# Altium PCB FX_PCB.PcbDoc (part 2 of 7) (continued)
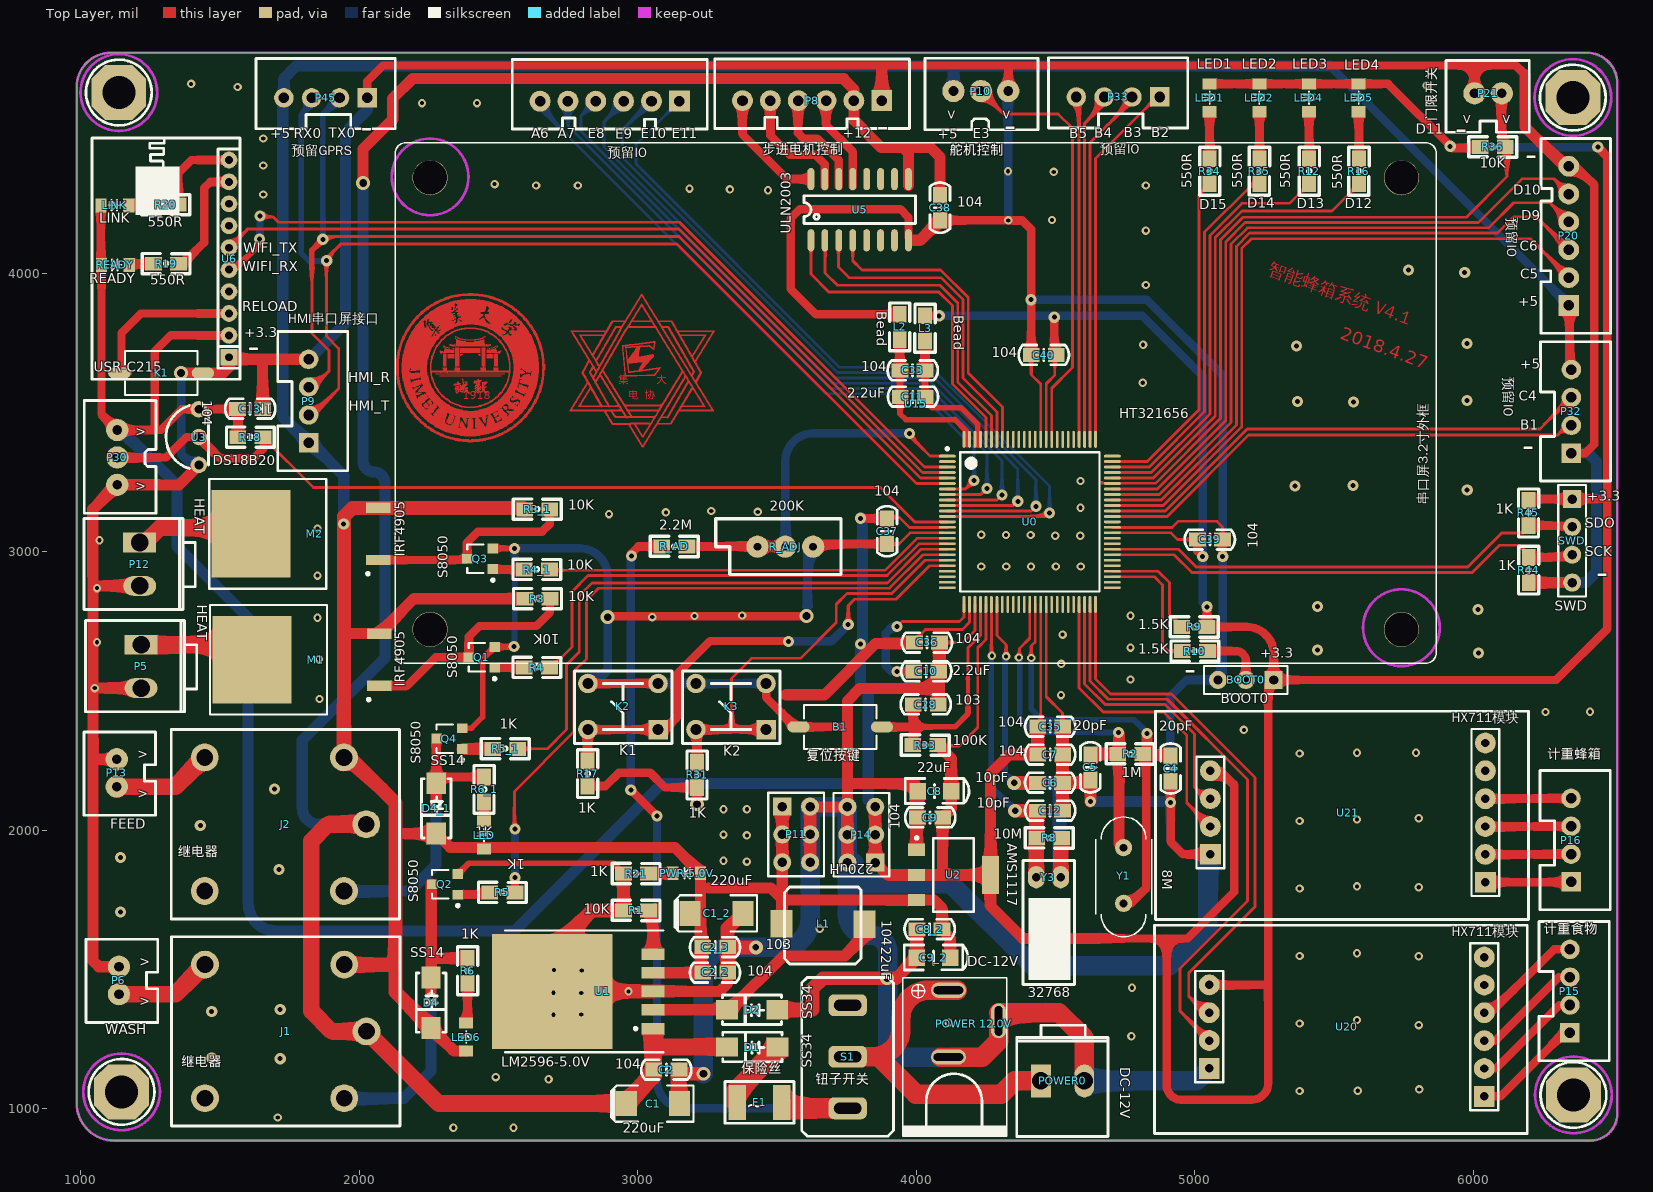
[diagram p0: Top Layer view]
## Nets (pads, with @x,y where several pads share a name; then routed paths per layer and width w, separated by ;. In a path a pad name is that pad's centre, name@x,y a point inside that pad or via, vN(x,y) a via of type N, cw(c..) or ccw(c..) an arc to the next point about the centre after c; other vN are vias at no path point) (continued)
2844.9,3620.05 ; 2839.8,3620.9 2844.05,3620.9 ; 2839.8,3699.1 2844.05,3699.1 ; 2839.8,3712.7 2844.9,3712.7 ; 2839.8,3713.55 2844.9,3713.55 ; 2840.65,3569.9 2847.45,3569.9 ; 2840.65,3570.75 2846.6,3570.75 ; 2840.65,3618.35 2845.75,3618.35 ; 2840.65,3619.2 2845.75,3619.2 ; 2840.65,3630.25 2844.9,3630.25 ; 2840.65,3631.1 2845.75,3631.1 ; 2840.65,3697.4 2844.9,3697.4 ; 2840.65,3698.25 2844.05,3698.25 ; 2840.65,3714.4 2845.75,3714.4 ; 2840.65,3715.25 2845.75,3715.25 ; 2841.5,3568.2 2846.6,3568.2 ; 2841.5,3569.05 2846.6,3569.05 ; 2841.5,3617.5 2846.6,3617.5 ; 2841.5,3631.95 2846.6,3631.95 ; 2841.5,3632.8 2846.6,3632.8 ; 2841.5,3696.55 2845.75,3696.55 ; 2841.5,3716.1 2846.6,3716.1 ; 2841.5,3716.95 2846.6,3716.95 ; 2842.35,3566.5 2849.15,3566.5 ; 2842.35,3567.35 2848.3,3567.35 ; 2842.35,3615.8 2847.45,3615.8 ; 2842.35,3616.65 2846.6,3616.65 ; 2842.35,3633.65 2847.45,3633.65 ; 2842.35,3659.15 2846.6,3659.15 ; 2842.35,3660 2845.75,3660 ; 2842.35,3694.85 2846.6,3694.85 ; 2842.35,3695.7 2845.75,3695.7 ; 2842.35,3717.8 2847.45,3717.8 ; 2843.2,3565.65 2849.15,3565.65 ; 2843.2,3575 2844.05,3575 ; 2843.2,3614.1 2853.4,3614.1 ; 2843.2,3614.95 2847.45,3614.95 ; 2843.2,3634.5 2847.45,3634.5 ; 2843.2,3635.35 2848.3,3635.35 ; 2843.2,3655.75 2849.15,3655.75 ; 2843.2,3656.6 2848.3,3656.6 ; 2843.2,3657.45 2847.45,3657.45 ; 2843.2,3658.3 2847.45,3658.3 ; 2843.2,3693.15 2847.45,3693.15 ; 2843.2,3694 2846.6,3694 ; 2843.2,3718.65 2848.3,3718.65 ; 2843.2,3719.5 2848.3,3719.5 ; 2844.05,3563.95 2850.85,3563.95 ; 2844.05,3564.8 2850,3564.8 ; 2844.05,3574.15 2844.9,3574.15 ; 2844.05,3612.4 2852.55,3612.4 ; 2844.05,3613.25 2852.55,3613.25 ; 2844.05,3636.2 2848.3,3636.2 ; 2844.05,3637.05 2849.15,3637.05 ; 2844.05,3654.9 2849.15,3654.9 ; 2844.05,3692.3 2848.3,3692.3 ; 2844.05,3720.35 2849.15,3720.35 ; 2844.9,3562.25 2851.7,3562.25 ; 2844.9,3563.1 2849.15,3563.1 ; 2844.9,3606.45 2852.55,3606.45 ; 2844.9,3607.3 2851.7,3607.3 ; 2844.9,3608.15 2851.7,3608.15 ; 2844.9,3610.7 2851.7,3610.7 ; 2844.9,3611.55 2851.7,3611.55 ; 2844.9,3637.9 2849.15,3637.9 ; 2844.9,3638.75 2850,3638.75 ; 2844.9,3654.05 2850,3654.05 ; 2844.9,3690.6 2849.15,3690.6 ; 2844.9,3691.45 2848.3,3691.45 ; 2844.9,3721.2 2849.15,3721.2 ; 2844.9,3722.05 2850,3722.05 ; 2845.75,3560.55 2852.55,3560.55 ; 2845.75,3561.4 2851.7,3561.4 ; 2845.75,3605.6 2853.4,3605.6 ; 2845.75,3609 2850.85,3609 ; 2845.75,3609.85 2850.85,3609.85 ; 2845.75,3639.6 2850.85,3639.6 ; 2845.75,3652.35 2851.7,3652.35 ; 2845.75,3653.2 2850.85,3653.2 ; 2845.75,3688.9 2854.25,3688.9 ; 2845.75,3689.75 2855.1,3689.75 ; 2845.75,3722.9 2850.85,3722.9 ; 2845.75,3723.75 2850.85,3723.75 ; 2846.6,3558.85 2852.55,3558.85 ; 2846.6,3559.7 2852.55,3559.7 ; 2846.6,3640.45 2850.85,3640.45 ; 2846.6,3641.3 2851.7,3641.3 ; 2846.6,3651.5 2857.65,3651.5 ; 2846.6,3688.05 2854.25,3688.05 ; 2846.6,3724.6 2851.7,3724.6 ; 2846.6,3725.45 2851.7,3725.45 ; 2847.45,3558 2854.25,3558 ; 2847.45,3568.2 2848.3,3568.2 ; 2847.45,3642.15 2851.7,3642.15 ; 2847.45,3643 2852.55,3643 ; 2847.45,3650.65 2856.8,3650.65 ; 2847.45,3686.35 2852.55,3686.35 ; 2847.45,3687.2 2853.4,3687.2 ; 2847.45,3726.3 2852.55,3726.3 ; 2848.3,3556.3 2855.1,3556.3 ; 2848.3,3557.15 2854.25,3557.15 ; 2848.3,3604.75 2853.4,3604.75 ; 2848.3,3643.85 2852.55,3643.85 ; 2848.3,3644.7 2853.4,3644.7 ; 2848.3,3649.8 2855.95,3649.8 ; 2848.3,3685.5 2852.55,3685.5 ; 2848.3,3727.15 2852.55,3727.15 ; 2848.3,3728 2853.4,3728 ; 2849.15,3554.6 2855.95,3554.6 ; 2849.15,3555.45 2855.1,3555.45 ; 2849.15,3603.9 2854.25,3603.9 ; 2849.15,3614.95 2854.25,3614.95 ; 2849.15,3615.8 2854.25,3615.8 ; 2849.15,3645.55 2854.25,3645.55 ; 2849.15,3646.4 2855.1,3646.4 ; 2849.15,3648.1 2855.1,3648.1 ; 2849.15,3648.95 2855.95,3648.95 ; 2849.15,3683.8 2853.4,3683.8 ; 2849.15,3684.65 2852.55,3684.65 ; 2849.15,3728.85 2854.25,3728.85 ; 2849.15,3729.7 2854.25,3729.7 ; 2850,3552.9 2856.8,3552.9 ; 2850,3553.75 2856.8,3553.75 ; 2850,3563.1 2850.85,3563.1 ; 2850,3602.2 2855.1,3602.2 ; 2850,3603.05 2854.25,3603.05 ; 2850,3616.65 2855.1,3616.65 ; 2850,3647.25 2855.1,3647.25 ; 2850,3682.1 2854.25,3682.1 ; 2850,3682.95 2853.4,3682.95 ; 2850,3730.55 2855.1,3730.55 ; 2850.85,3552.05 2856.8,3552.05 ; 2850.85,3600.5 2855.95,3600.5 ; 2850.85,3601.35 2855.1,3601.35 ; 2850.85,3617.5 2855.1,3617.5 ; 2850.85,3618.35 2855.95,3618.35 ; 2850.85,3681.25 2855.1,3681.25 ; 2850.85,3690.6 2855.1,3690.6 ; 2850.85,3691.45 2855.95,3691.45 ; 2850.85,3731.4 2855.1,3731.4 ; 2850.85,3732.25 2855.95,3732.25 ; 2851.7,3550.35 2858.5,3550.35 ; 2851.7,3551.2 2857.65,3551.2 ; 2851.7,3598.8 2856.8,3598.8 ; 2851.7,3599.65 2855.95,3599.65 ; 2851.7,3619.2 2855.95,3619.2 ; 2851.7,3620.05 2856.8,3620.05 ; 2851.7,3679.55 2855.95,3679.55 ; 2851.7,3680.4 2855.1,3680.4 ; 2851.7,3692.3 2856.8,3692.3 ; 2851.7,3693.15 2856.8,3693.15 ; 2851.7,3733.1 2856.8,3733.1 ; 2851.7,3733.95 2856.8,3733.95 ; 2852.55,3548.65 2859.35,3548.65 ; 2852.55,3549.5 2859.35,3549.5 ; 2852.55,3597.1 2857.65,3597.1 ; 2852.55,3597.95 2857.65,3597.95 ; 2852.55,3620.9 2857.65,3620.9 ; 2852.55,3621.75 2857.65,3621.75 ; 2852.55,3652.35 2857.65,3652.35 ; 2852.55,3677.85 2856.8,3677.85 ; 2852.55,3678.7 2856.8,3678.7 ; 2852.55,3694 2857.65,3694 ; 2852.55,3694.85 2857.65,3694.85 ; 2852.55,3734.8 2857.65,3734.8 ; 2852.55,3735.65 2857.65,3735.65 ; 2853.4,3546.95 2860.2,3546.95 ; 2853.4,3547.8 2858.5,3547.8 ; 2853.4,3596.25 2858.5,3596.25 ; 2853.4,3622.6 2858.5,3622.6 ; 2853.4,3653.2 2858.5,3653.2 ; 2853.4,3673.6 2859.35,3673.6 ; 2853.4,3674.45 2858.5,3674.45 ; 2853.4,3675.3 2858.5,3675.3 ; 2853.4,3677 2857.65,3677 ; 2853.4,3695.7 2858.5,3695.7 ; 2853.4,3736.5 2858.5,3736.5 ; 2853.4,3737.35 2858.5,3737.35 ; 2854.25,3545.25 2861.05,3545.25 ; 2854.25,3546.1 2861.05,3546.1 ; 2854.25,3594.55 2859.35,3594.55 ; 2854.25,3595.4 2858.5,3595.4 ; 2854.25,3623.45 2858.5,3623.45 ; 2854.25,3624.3 2859.35,3624.3 ; 2854.25,3654.05 2858.5,3654.05 ; 2854.25,3654.9 2859.35,3654.9 ; 2854.25,3672.75 2859.35,3672.75 ; 2854.25,3676.15 2857.65,3676.15 ; 2854.25,3696.55 2858.5,3696.55 ; 2854.25,3697.4 2859.35,3697.4 ; 2854.25,3738.2 2859.35,3738.2 ; 2854.25,3739.05 2860.2,3739.05 ; 2855.1,3544.4 2861.9,3544.4 ; 2855.1,3592.85 2860.2,3592.85 ; 2855.1,3593.7 2859.35,3593.7 ; 2855.1,3625.15 2860.2,3625.15 ; 2855.1,3626 2860.2,3626 ; 2855.1,3655.75 2859.35,3655.75 ; 2855.1,3656.6 2860.2,3656.6 ; 2855.1,3671.9 2860.2,3671.9 ; 2855.1,3698.25 2860.2,3698.25 ; 2855.1,3699.1 2860.2,3699.1 ; 2855.1,3739.9 2860.2,3739.9 ; 2855.95,3542.7 2862.75,3542.7 ; 2855.95,3543.55 2861.9,3543.55 ; 2855.95,3591.15 2861.05,3591.15 ; 2855.95,3592 2860.2,3592 ; 2855.95,3626.85 2861.05,3626.85 ; 2855.95,3657.45 2861.05,3657.45 ; 2855.95,3658.3 2861.05,3658.3 ; 2855.95,3670.2 2861.9,3670.2 ; 2855.95,3671.05 2861.05,3671.05 ; 2855.95,3699.95 2861.05,3699.95 ; 2855.95,3740.75 2861.05,3740.75 ; 2855.95,3741.6 2861.05,3741.6 ; 2856.8,3541 2862.75,3541 ; 2856.8,3541.85 2863.6,3541.85 ; 2856.8,3589.45 2861.9,3589.45 ; 2856.8,3590.3 2861.9,3590.3 ; 2856.8,3627.7 2861.05,3627.7 ; 2856.8,3628.55 2861.9,3628.55 ; 2856.8,3659.15 2861.9,3659.15 ; 2856.8,3669.35 2867.85,3669.35 ; 2856.8,3700.8 2861.05,3700.8 ; 2856.8,3701.65 2861.9,3701.65 ; 2856.8,3742.45 2861.9,3742.45 ; 2857.65,3539.3 2863.6,3539.3 ; 2857.65,3540.15 2862.75,3540.15 ; 2857.65,3588.6 2862.75,3588.6 ; 2857.65,3629.4 2861.9,3629.4 ; 2857.65,3630.25 2862.75,3630.25 ; 2857.65,3660 2861.9,3660 ; 2857.65,3660.85 2862.75,3660.85 ; 2857.65,3668.5 2867,3668.5 ; 2857.65,3702.5 2862.75,3702.5 ; 2857.65,3703.35 2862.75,3703.35 ; 2857.65,3743.3 2862.75,3743.3 ; 2857.65,3744.15 2862.75,3744.15 ; 2858.5,3538.45 2865.3,3538.45 ; 2858.5,3586.9 2863.6,3586.9 ; 2858.5,3587.75 2862.75,3587.75 ; 2858.5,3631.1 2863.6,3631.1 ; 2858.5,3631.95 2863.6,3631.95 ; 2858.5,3661.7 2862.75,3661.7 ; 2858.5,3662.55 2863.6,3662.55 ; 2858.5,3667.65 2866.15,3667.65 ; 2858.5,3704.2 2863.6,3704.2 ; 2858.5,3745 2863.6,3745 ; 2858.5,3745.85 2863.6,3745.85 ; 2859.35,3536.75 2866.15,3536.75 ; 2859.35,3537.6 2866.15,3537.6 ; 2859.35,3547.8 2860.2,3547.8 ; 2859.35,3585.2 2864.45,3585.2 ; 2859.35,3586.05 2863.6,3586.05 ; 2859.35,3632.8 2869.55,3632.8 ; 2859.35,3663.4 2864.45,3663.4 ; 2859.35,3664.25 2864.45,3664.25 ; 2859.35,3665.95 2865.3,3665.95 ; 2859.35,3666.8 2866.15,3666.8 ; 2859.35,3705.05 2863.6,3705.05 ; 2859.35,3705.9 2864.45,3705.9 ; 2859.35,3746.7 2864.45,3746.7 ; 2859.35,3747.55 2865.3,3747.55 ; 2860.2,3535.05 2867,3535.05 ; 2860.2,3535.9 2867,3535.9 ; 2860.2,3583.5 2865.3,3583.5 ; 2860.2,3584.35 2865.3,3584.35 ; 2860.2,3633.65 2869.55,3633.65 ; 2860.2,3634.5 2868.7,3634.5 ; 2860.2,3665.1 2865.3,3665.1 ; 2860.2,3706.75 2864.45,3706.75 ; 2860.2,3707.6 2865.3,3707.6 ; 2860.2,3748.4 2865.3,3748.4 ; 2861.05,3533.35 2866.15,3533.35 ; 2861.05,3534.2 2867.85,3534.2 ; 2861.05,3582.65 2866.15,3582.65 ; 2861.05,3635.35 2867.85,3635.35 ; 2861.05,3636.2 2867.85,3636.2 ; 2861.05,3708.45 2866.15,3708.45 ; 2861.05,3709.3 2866.15,3709.3 ; 2861.05,3749.25 2866.15,3749.25 ; 2861.05,3750.1 2866.15,3750.1 ; 2861.05,3750.95 2867,3750.95 ; 2861.9,3531.65 2867.85,3531.65 ; 2861.9,3532.5 2868.7,3532.5 ; 2861.9,3580.95 2867,3580.95 ; 2861.9,3581.8 2866.15,3581.8 ; 2861.9,3637.05 2867,3637.05 ; 2861.9,3637.9 2867,3637.9 ; 2861.9,3638.75 2867.85,3638.75 ; 2861.9,3710.15 2867,3710.15 ; 2861.9,3751.8 2867,3751.8 ; 2862.75,3530.8 2869.55,3530.8 ; 2862.75,3579.25 2867.85,3579.25 ; 2862.75,3580.1 2867,3580.1 ; 2862.75,3639.6 2867.85,3639.6 ; 2862.75,3670.2 2867.85,3670.2 ; 2862.75,3711 2867,3711 ; 2862.75,3711.85 2867.85,3711.85 ; 2862.75,3752.65 2867.85,3752.65 ; 2862.75,3753.5 2868.7,3753.5 ; 2863.6,3529.1 2870.4,3529.1 ; 2863.6,3529.95 2868.7,3529.95 ; 2863.6,3540.15 2864.45,3540.15 ; 2863.6,3577.55 2868.7,3577.55 ; 2863.6,3578.4 2867.85,3578.4 ; 2863.6,3640.45 2868.7,3640.45 ; 2863.6,3671.05 2868.7,3671.05 ; 2863.6,3712.7 2868.7,3712.7 ; 2863.6,3713.55 2868.7,3713.55 ; 2863.6,3754.35 2868.7,3754.35 ; 2863.6,3755.2 2869.55,3755.2 ; 2864.45,3527.4 2871.25,3527.4 ; 2864.45,3528.25 2871.25,3528.25 ; 2864.45,3575.85 2869.55,3575.85 ; 2864.45,3576.7 2869.55,3576.7 ; 2864.45,3641.3 2869.55,3641.3 ; 2864.45,3642.15 2869.55,3642.15 ; 2864.45,3671.9 2868.7,3671.9 ; 2864.45,3672.75 2869.55,3672.75 ; 2864.45,3714.4 2869.55,3714.4 ; 2864.45,3756.05 2869.55,3756.05 ; 2864.45,3756.9 2870.4,3756.9 ; 2865.3,3525.7 2872.95,3525.7 ; 2865.3,3526.55 2872.1,3526.55 ; 2865.3,3575 2870.4,3575 ; 2865.3,3631.95 2870.4,3631.95 ; 2865.3,3643 2870.4,3643 ; 2865.3,3643.85 2870.4,3643.85 ; 2865.3,3673.6 2869.55,3673.6 ; 2865.3,3674.45 2870.4,3674.45 ; 2865.3,3715.25 2869.55,3715.25 ; 2865.3,3716.1 2870.4,3716.1 ; 2866.15,3524.85 2872.95,3524.85 ; 2866.15,3573.3 2871.25,3573.3 ; 2866.15,3574.15 2870.4,3574.15 ; 2866.15,3630.25 2871.25,3630.25 ; 2866.15,3631.1 2870.4,3631.1 ; 2866.15,3644.7 2871.25,3644.7 ; 2866.15,3675.3 2871.25,3675.3 ; 2866.15,3676.15 2871.25,3676.15 ; 2866.15,3716.95 2870.4,3716.95 ; 2866.15,3717.8 2871.25,3717.8 ; 2866.15,3757.75 2871.25,3757.75 ; 2866.15,3758.6 2871.25,3758.6 ; 2866.15,3759.45 2872.1,3759.45 ; 2867,3533.35 2867.85,3533.35 ; 2867,3571.6 2872.1,3571.6 ; 2867,3572.45 2871.25,3572.45 ; 2867,3628.55 2872.1,3628.55 ; 2867,3629.4 2872.1,3629.4 ; 2867,3645.55 2871.25,3645.55 ; 2867,3646.4 2872.1,3646.4 ; 2867,3677 2872.1,3677 ; 2867,3718.65 2872.1,3718.65 ; 2867,3719.5 2872.1,3719.5 ; 2867,3760.3 2872.1,3760.3 ; 2867,3761.15 2872.95,3761.15 ; 2867.85,3569.9 2872.95,3569.9 ; 2867.85,3570.75 2872.1,3570.75 ; 2867.85,3627.7 2872.95,3627.7 ; 2867.85,3647.25 2872.95,3647.25 ; 2867.85,3648.1 2872.95,3648.1 ; 2867.85,3677.85 2872.1,3677.85 ; 2867.85,3678.7 2872.95,3678.7 ; 2867.85,3720.35 2872.95,3720.35 ; 2867.85,3762 2872.95,3762 ; 2867.85,3762.85 2873.8,3762.85 ; 2868.7,3520.6 2871.25,3520.6 ; 2868.7,3531.65 2869.55,3531.65 ; 2868.7,3568.2 2873.8,3568.2 ; 2868.7,3569.05 2873.8,3569.05 ; 2868.7,3626 2873.8,3626 ; 2868.7,3626.85 2873.8,3626.85 ; 2868.7,3648.95 2878.05,3648.95 ; 2868.7,3679.55 2872.95,3679.55 ; 2868.7,3680.4 2873.8,3680.4 ; 2868.7,3721.2 2872.95,3721.2 ; 2868.7,3722.05 2873.8,3722.05 ; 2868.7,3763.7 2874.65,3763.7 ; 2869.55,3529.95 2870.4,3529.95 ; 2869.55,3567.35 2874.65,3567.35 ; 2869.55,3624.3 2874.65,3624.3 ; 2869.55,3625.15 2874.65,3625.15 ; 2869.55,3649.8 2878.05,3649.8 ; 2869.55,3650.65 2877.2,3650.65 ; 2869.55,3681.25 2873.8,3681.25 ; 2869.55,3682.1 2874.65,3682.1 ; 2869.55,3722.9 2874.65,3722.9 ; 2869.55,3723.75 2874.65,3723.75 ; 2869.55,3764.55 2874.65,3764.55 ; 2869.55,3765.4 2875.5,3765.4 ; 2870.4,3565.65 2875.5,3565.65 ; 2870.4,3566.5 2874.65,3566.5 ; 2870.4,3623.45 2875.5,3623.45 ; 2870.4,3651.5 2876.35,3651.5 ; 2870.4,3652.35 2876.35,3652.35 ; 2870.4,3653.2 2876.35,3653.2 ; 2870.4,3654.05 2876.35,3654.05 ; 2870.4,3654.9 2877.2,3654.9 ; 2870.4,3682.95 2875.5,3682.95 ; 2870.4,3724.6 2875.5,3724.6 ; 2870.4,3766.25 2875.5,3766.25 ; 2870.4,3767.1 2876.35,3767.1 ; 2871.25,3563.95 2876.35,3563.95 ; 2871.25,3564.8 2875.5,3564.8 ; 2871.25,3621.75 2876.35,3621.75 ; 2871.25,3622.6 2876.35,3622.6 ; 2871.25,3655.75 2877.2,3655.75 ; 2871.25,3683.8 2875.5,3683.8 ; 2871.25,3684.65 2876.35,3684.65 ; 2871.25,3725.45 2875.5,3725.45 ; 2871.25,3726.3 2876.35,3726.3 ; 2871.25,3767.95 2877.2,3767.95 ; 2871.25,3768.8 2877.2,3768.8 ; 2872.1,3562.25 2877.2,3562.25 ; 2872.1,3563.1 2876.35,3563.1 ; 2872.1,3620.9 2877.2,3620.9 ; 2872.1,3685.5 2876.35,3685.5 ; 2872.1,3686.35 2877.2,3686.35 ; 2872.1,3727.15 2877.2,3727.15 ; 2872.1,3728 2877.2,3728 ; 2872.95,3561.4 2878.05,3561.4 ; 2872.95,3619.2 2878.05,3619.2 ; 2872.95,3620.05 2877.2,3620.05 ; 2872.95,3656.6 2878.05,3656.6 ; 2872.95,3687.2 2877.2,3687.2 ; 2872.95,3688.05 2878.05,3688.05 ; 2872.95,3728.85 2878.05,3728.85 ; 2872.95,3729.7 2878.05,3729.7 ; 2872.95,3769.65 2878.05,3769.65 ; 2872.95,3770.5 2878.05,3770.5 ; 2872.95,3771.35 2878.9,3771.35 ; 2873.8,3559.7 2878.9,3559.7 ; 2873.8,3560.55 2878.05,3560.55 ; 2873.8,3617.5 2878.9,3617.5 ; 2873.8,3618.35 2878.9,3618.35 ; 2873.8,3648.1 2878.9,3648.1 ; 2873.8,3657.45 2878.05,3657.45 ; 2873.8,3658.3 2878.9,3658.3 ; 2873.8,3688.9 2878.9,3688.9 ; 2873.8,3689.75 2878.9,3689.75 ; 2873.8,3730.55 2878.9,3730.55 ; 2873.8,3772.2 2878.9,3772.2 ; 2873.8,3773.05 2879.75,3773.05 ; 2874.65,3558 2879.75,3558 ; 2874.65,3558.85 2878.9,3558.85 ; 2874.65,3616.65 2879.75,3616.65 ; 2874.65,3646.4 2879.75,3646.4 ; 2874.65,3647.25 2878.9,3647.25 ; 2874.65,3659.15 2879.75,3659.15 ; 2874.65,3660 2879.75,3660 ; 2874.65,3690.6 2879.75,3690.6 ; 2874.65,3731.4 2878.9,3731.4 ; 2874.65,3732.25 2879.75,3732.25 ; 2874.65,3773.9 2880.6,3773.9 ; 2874.65,3774.75 2880.6,3774.75 ; 2875.5,3556.3 2880.6,3556.3 ; 2875.5,3557.15 2879.75,3557.15 ; 2875.5,3614.95 2880.6,3614.95 ; 2875.5,3615.8 2880.6,3615.8 ; 2875.5,3644.7 2880.6,3644.7 ; 2875.5,3645.55 2880.6,3645.55 ; 2875.5,3660.85 2880.6,3660.85 ; 2875.5,3691.45 2879.75,3691.45 ; 2875.5,3692.3 2880.6,3692.3 ; 2875.5,3733.1 2880.6,3733.1 ; 2875.5,3733.95 2880.6,3733.95 ; 2875.5,3776.45 2876.35,3776.45 ; 2876.35,3554.6 2881.45,3554.6 ; 2876.35,3555.45 2881.45,3555.45 ; 2876.35,3613.25 2881.45,3613.25 ; 2876.35,3614.1 2881.45,3614.1 ; 2876.35,3643.85 2881.45,3643.85 ; 2876.35,3661.7 2880.6,3661.7 ; 2876.35,3662.55 2881.45,3662.55 ; 2876.35,3693.15 2880.6,3693.15 ; 2876.35,3694 2881.45,3694 ; 2876.35,3734.8 2881.45,3734.8 ; 2876.35,3775.6 2881.45,3775.6 ; 2877.2,3553.75 2882.3,3553.75 ; 2877.2,3612.4 2882.3,3612.4 ; 2877.2,3642.15 2882.3,3642.15 ; 2877.2,3643 2882.3,3643 ; 2877.2,3663.4 2882.3,3663.4 ; 2877.2,3664.25 2882.3,3664.25 ; 2877.2,3694.85 2882.3,3694.85 ; 2877.2,3695.7 2882.3,3695.7 ; 2877.2,3735.65 2881.45,3735.65 ; 2877.2,3736.5 2882.3,3736.5 ; 2877.2,3776.45 2881.45,3776.45 ; 2878.05,3552.05 2883.15,3552.05 ; 2878.05,3552.9 2882.3,3552.9 ; 2878.05,3610.7 2883.15,3610.7 ; 2878.05,3611.55 2883.15,3611.55 ; 2878.05,3641.3 2883.15,3641.3 ; 2878.05,3665.1 2883.15,3665.1 ; 2878.05,3696.55 2883.15,3696.55 ; 2878.05,3737.35 2883.15,3737.35 ; 2878.05,3738.2 2883.15,3738.2 ; 2878.9,3505.3 2884.85,3505.3 ; 2878.9,3506.15 2884,3506.15 ; 2878.9,3550.35 2884,3550.35 ; 2878.9,3551.2 2883.15,3551.2 ; 2878.9,3609.85 2884,3609.85 ; 2878.9,3639.6 2884,3639.6 ; 2878.9,3640.45 2883.15,3640.45 ; 2878.9,3665.95 2883.15,3665.95 ; 2878.9,3666.8 2884,3666.8 ; 2878.9,3697.4 2883.15,3697.4 ; 2878.9,3698.25 2884,3698.25 ; 2878.9,3739.05 2884,3739.05 ; 2878.9,3739.9 2884,3739.9 ; 2878.9,3780.7 2884,3780.7 ; 2878.9,3781.55 2884.85,3781.55 ; 2879.75,3504.45 2884.85,3504.45 ; 2879.75,3548.65 2884.85,3548.65 ; 2879.75,3549.5 2884,3549.5 ; 2879.75,3608.15 2884.85,3608.15 ; 2879.75,3609 2884,3609 ; 2879.75,3637.9 2884.85,3637.9 ; 2879.75,3638.75 2884.85,3638.75 ; 2879.75,3667.65 2884,3667.65 ; 2879.75,3668.5 2884.85,3668.5 ; 2879.75,3699.1 2884,3699.1 ; 2879.75,3699.95 2884.85,3699.95 ; 2879.75,3740.75 2884.85,3740.75 ; 2879.75,3782.4 2884.85,3782.4 ; 2879.75,3783.25 2885.7,3783.25 ; 2880.6,3502.75 2885.7,3502.75 ; 2880.6,3503.6 2885.7,3503.6 ; 2880.6,3546.95 2885.7,3546.95 ; 2880.6,3547.8 2885.7,3547.8 ; 2880.6,3606.45 2885.7,3606.45 ; 2880.6,3607.3 2885.7,3607.3 ; 2880.6,3637.05 2885.7,3637.05 ; 2880.6,3669.35 2885.7,3669.35 ; 2880.6,3670.2 2885.7,3670.2 ; 2880.6,3700.8 2885.7,3700.8 ; 2880.6,3701.65 2885.7,3701.65 ; 2880.6,3741.6 2884.85,3741.6 ; 2880.6,3742.45 2885.7,3742.45 ; 2880.6,3784.1 2886.55,3784.1 ; 2881.45,3501.05 2886.55,3501.05 ; 2881.45,3501.9 2886.55,3501.9 ; 2881.45,3546.1 2886.55,3546.1 ; 2881.45,3605.6 2886.55,3605.6 ; 2881.45,3635.35 2886.55,3635.35 ; 2881.45,3636.2 2886.55,3636.2 ; 2881.45,3671.05 2886.55,3671.05 ; 2881.45,3702.5 2886.55,3702.5 ; 2881.45,3743.3 2886.55,3743.3 ; 2881.45,3744.15 2886.55,3744.15 ; 2881.45,3784.95 2886.55,3784.95 ; 2881.45,3785.8 2887.4,3785.8 ; 2882.3,3500.2 2887.4,3500.2 ; 2882.3,3544.4 2887.4,3544.4 ; 2882.3,3545.25 2886.55,3545.25 ; 2882.3,3603.9 2887.4,3603.9 ; 2882.3,3604.75 2887.4,3604.75 ; 2882.3,3634.5 2887.4,3634.5 ; 2882.3,3671.9 2886.55,3671.9 ; 2882.3,3672.75 2887.4,3672.75 ; 2882.3,3703.35 2886.55,3703.35 ; 2882.3,3704.2 2887.4,3704.2 ; 2882.3,3745 2887.4,3745 ; 2882.3,3786.65 2887.4,3786.65 ; 2882.3,3787.5 2888.25,3787.5 ; 2883.15,3498.5 2888.25,3498.5 ; 2883.15,3499.35 2888.25,3499.35 ; 2883.15,3542.7 2888.25,3542.7 ; 2883.15,3543.55 2887.4,3543.55 ; 2883.15,3602.2 2888.25,3602.2 ; 2883.15,3603.05 2888.25,3603.05 ; 2883.15,3632.8 2888.25,3632.8 ; 2883.15,3633.65 2887.4,3633.65 ; 2883.15,3673.6 2887.4,3673.6 ; 2883.15,3674.45 2888.25,3674.45 ; 2883.15,3705.05 2887.4,3705.05 ; 2883.15,3705.9 2888.25,3705.9 ; 2883.15,3745.85 2887.4,3745.85 ; 2883.15,3746.7 2888.25,3746.7 ; 2883.15,3789.2 2889.1,3789.2 ; 2884,3496.8 2889.1,3496.8 ; 2884,3497.65 2889.1,3497.65 ; 2884,3541 2889.1,3541 ; 2884,3541.85 2888.25,3541.85 ; 2884,3601.35 2889.1,3601.35 ; 2884,3631.1 2889.1,3631.1 ; 2884,3631.95 2889.1,3631.95 ; 2884,3675.3 2889.1,3675.3 ; 2884,3676.15 2889.1,3676.15 ; 2884,3706.75 2889.1,3706.75 ; 2884,3707.6 2889.1,3707.6 ; 2884,3747.55 2889.1,3747.55 ; 2884,3748.4 2889.1,3748.4 ; 2884,3788.35 2889.1,3788.35 ; 2884,3790.9 2889.95,3790.9 ; 2884.85,3495.95 2889.95,3495.95 ; 2884.85,3539.3 2889.95,3539.3 ; 2884.85,3540.15 2889.95,3540.15 ; 2884.85,3599.65 2889.95,3599.65 ; 2884.85,3600.5 2889.95,3600.5 ; 2884.85,3630.25 2889.95,3630.25 ; 2884.85,3677 2889.95,3677 ; 2884.85,3708.45 2889.95,3708.45 ; 2884.85,3749.25 2889.95,3749.25 ; 2884.85,3750.1 2889.95,3750.1 ; 2884.85,3790.05 2889.95,3790.05 ; 2885.7,3494.25 2890.8,3494.25 ; 2885.7,3495.1 2890.8,3495.1 ; 2885.7,3538.45 2890.8,3538.45 ; 2885.7,3598.8 2890.8,3598.8 ; 2885.7,3628.55 2890.8,3628.55 ; 2885.7,3629.4 2890.8,3629.4 ; 2885.7,3677.85 2889.95,3677.85 ; 2885.7,3678.7 2890.8,3678.7 ; 2885.7,3709.3 2889.95,3709.3 ; 2885.7,3710.15 2890.8,3710.15 ; 2885.7,3750.95 2890.8,3750.95 ; 2886.55,3493.4 2891.65,3493.4 ; 2886.55,3536.75 2891.65,3536.75 ; 2886.55,3537.6 2890.8,3537.6 ; 2886.55,3597.1 2891.65,3597.1 ; 2886.55,3597.95 2891.65,3597.95 ; 2886.55,3627.7 2891.65,3627.7 ; 2886.55,3679.55 2891.65,3679.55 ; 2886.55,3680.4 2891.65,3680.4 ; 2886.55,3711 2890.8,3711 ; 2886.55,3711.85 2891.65,3711.85 ; 2886.55,3751.8 2890.8,3751.8 ; 2886.55,3752.65 2891.65,3752.65 ; 2886.55,3792.6 2890.8,3792.6 ; 2886.55,3795.15 2892.5,3795.15 ; 2887.4,3491.7 2892.5,3491.7 ; 2887.4,3492.55 2891.65,3492.55 ; 2887.4,3535.05 2892.5,3535.05 ; 2887.4,3535.9 2891.65,3535.9 ; 2887.4,3595.4 2892.5,3595.4 ; 2887.4,3596.25 2892.5,3596.25 ; 2887.4,3626 2892.5,3626 ; 2887.4,3626.85 2891.65,3626.85 ; 2887.4,3681.25 2892.5,3681.25 ; 2887.4,3682.1 2892.5,3682.1 ; 2887.4,3712.7 2892.5,3712.7 ; 2887.4,3713.55 2892.5,3713.55 ; 2887.4,3753.5 2892.5,3753.5 ; 2887.4,3754.35 2892.5,3754.35 ; 2887.4,3796 2893.35,3796 ; 2888.25,3490 2893.35,3490 ; 2888.25,3490.85 2893.35,3490.85 ; 2888.25,3533.35 2893.35,3533.35 ; 2888.25,3534.2 2893.35,3534.2 ; 2888.25,3594.55 2893.35,3594.55 ; 2888.25,3624.3 2893.35,3624.3 ; 2888.25,3625.15 2893.35,3625.15 ; 2888.25,3682.95 2893.35,3682.95 ; 2888.25,3714.4 2893.35,3714.4 ; 2888.25,3755.2 2893.35,3755.2 ; 2888.25,3796.85 2893.35,3796.85 ; 2889.1,3489.15 2894.2,3489.15 ; 2889.1,3532.5 2894.2,3532.5 ; 2889.1,3592.85 2894.2,3592.85 ; 2889.1,3593.7 2894.2,3593.7 ; 2889.1,3623.45 2894.2,3623.45 ; 2889.1,3683.8 2893.35,3683.8 ; 2889.1,3684.65 2894.2,3684.65 ; 2889.1,3715.25 2893.35,3715.25 ; 2889.1,3716.1 2894.2,3716.1 ; 2889.1,3756.05 2893.35,3756.05 ; 2889.1,3756.9 2894.2,3756.9 ; 2889.1,3797.7 2894.2,3797.7 ; 2889.1,3798.55 2895.05,3798.55 ; 2889.1,3799.4 2895.05,3799.4 ; 2889.95,3487.45 2895.05,3487.45 ; 2889.95,3488.3 2894.2,3488.3 ; 2889.95,3530.8 2895.05,3530.8 ; 2889.95,3531.65 2894.2,3531.65 ; 2889.95,3592 2895.05,3592 ; 2889.95,3621.75 2895.05,3621.75 ; 2889.95,3622.6 2895.05,3622.6 ; 2889.95,3685.5 2895.05,3685.5 ; 2889.95,3686.35 2895.05,3686.35 ; 2889.95,3716.95 2894.2,3716.95 ; 2889.95,3717.8 2895.05,3717.8 ; 2889.95,3757.75 2895.05,3757.75 ; 2889.95,3758.6 2895.05,3758.6 ; 2889.95,3800.25 2895.9,3800.25 ; 2889.95,3801.1 2895.9,3801.1 ; 2890.8,3485.75 2895.9,3485.75 ; 2890.8,3486.6 2895.9,3486.6 ; 2890.8,3529.1 2895.9,3529.1 ; 2890.8,3529.95 2895.05,3529.95 ; 2890.8,3590.3 2895.9,3590.3 ; 2890.8,3591.15 2895.05,3591.15 ; 2890.8,3620.9 2895.9,3620.9 ; 2890.8,3687.2 2895.9,3687.2 ; 2890.8,3718.65 2895.9,3718.65 ; 2890.8,3719.5 2895.9,3719.5 ; 2890.8,3759.45 2895.9,3759.45 ; 2890.8,3760.3 2895.9,3760.3 ; 2890.8,3801.95 2896.75,3801.95 ; 2891.65,3484.9 2896.75,3484.9 ; 2891.65,3527.4 2896.75,3527.4 ; 2891.65,3528.25 2895.9,3528.25 ; 2891.65,3588.6 2896.75,3588.6 ; 2891.65,3589.45 2896.75,3589.45 ; 2891.65,3619.2 2896.75,3619.2 ; 2891.65,3620.05 2895.9,3620.05 ; 2891.65,3688.05 2895.9,3688.05 ; 2891.65,3688.9 2896.75,3688.9 ; 2891.65,3720.35 2896.75,3720.35 ; 2891.65,3761.15 2896.75,3761.15 ; 2891.65,3802.8 2897.6,3802.8 ; 2891.65,3803.65 2897.6,3803.65 ; 2892.5,3483.2 2897.6,3483.2 ; 2892.5,3484.05 2896.75,3484.05 ; 2892.5,3525.7 2897.6,3525.7 ; 2892.5,3526.55 2897.6,3526.55 ; 2892.5,3587.75 2897.6,3587.75 ; 2892.5,3617.5 2897.6,3617.5 ; 2892.5,3618.35 2897.6,3618.35 ; 2892.5,3689.75 2896.75,3689.75 ; 2892.5,3690.6 2897.6,3690.6 ; 2892.5,3721.2 2896.75,3721.2 ; 2892.5,3722.05 2897.6,3722.05 ; 2892.5,3762 2896.75,3762 ; 2892.5,3762.85 2897.6,3762.85 ; 2892.5,3804.5 2898.45,3804.5 ; 2892.5,3805.35 2898.45,3805.35 ; 2893.35,3481.5 2898.45,3481.5 ; 2893.35,3482.35 2898.45,3482.35 ; 2893.35,3524.85 2898.45,3524.85 ; 2893.35,3586.05 2898.45,3586.05 ; 2893.35,3586.9 2898.45,3586.9 ; 2893.35,3616.65 2898.45,3616.65 ; 2893.35,3691.45 2898.45,3691.45 ; 2893.35,3692.3 2898.45,3692.3 ; 2893.35,3722.9 2897.6,3722.9 ; 2893.35,3723.75 2898.45,3723.75 ; 2893.35,3763.7 2898.45,3763.7 ; 2893.35,3764.55 2898.45,3764.55 ; 2893.35,3806.2 2899.3,3806.2 ; 2894.2,3480.65 2899.3,3480.65 ; 2894.2,3584.35 2899.3,3584.35 ; 2894.2,3585.2 2899.3,3585.2 ; 2894.2,3614.95 2899.3,3614.95 ; 2894.2,3615.8 2899.3,3615.8 ; 2894.2,3693.15 2899.3,3693.15 ; 2894.2,3724.6 2898.45,3724.6 ; 2894.2,3725.45 2899.3,3725.45 ; 2894.2,3765.4 2899.3,3765.4 ; 2894.2,3807.05 2899.3,3807.05 ; 2894.2,3807.9 2900.15,3807.9 ; 2895.05,3478.95 2900.15,3478.95 ; 2895.05,3479.8 2899.3,3479.8 ; 2895.05,3583.5 2900.15,3583.5 ; 2895.05,3614.1 2900.15,3614.1 ; 2895.05,3694 2899.3,3694 ; 2895.05,3694.85 2900.15,3694.85 ; 2895.05,3726.3 2900.15,3726.3 ; 2895.05,3766.25 2899.3,3766.25 ; 2895.05,3767.1 2900.15,3767.1 ; 2895.05,3808.75 2901,3808.75 ; 2895.05,3809.6 2901,3809.6 ; 2895.9,3477.25 2901,3477.25 ; 2895.9,3478.1 2901,3478.1 ; 2895.9,3520.6 2898.45,3520.6 ; 2895.9,3581.8 2901,3581.8 ; 2895.9,3582.65 2901,3582.65 ; 2895.9,3612.4 2901,3612.4 ; 2895.9,3613.25 2900.15,3613.25 ; 2895.9,3695.7 2900.15,3695.7 ; 2895.9,3696.55 2901,3696.55 ; 2895.9,3727.15 2900.15,3727.15 ; 2895.9,3728 2901,3728 ; 2895.9,3767.95 2901,3767.95 ; 2895.9,3768.8 2901,3768.8 ; 2895.9,3810.45 2901.85,3810.45 ; 2895.9,3811.3 2896.75,3811.3 ; 2896.75,3476.4 2901.85,3476.4 ; 2896.75,3580.95 2901.85,3580.95 ; 2896.75,3610.7 2901.85,3610.7 ; 2896.75,3611.55 2901.85,3611.55 ; 2896.75,3697.4 2901.85,3697.4 ; 2896.75,3698.25 2901.85,3698.25 ; 2896.75,3728.85 2901,3728.85 ; 2896.75,3729.7 2901.85,3729.7 ; 2896.75,3769.65 2901.85,3769.65 ; 2896.75,3812.15 2902.7,3812.15 ; 2897.6,3474.7 2902.7,3474.7 ; 2897.6,3475.55 2902.7,3475.55 ; 2897.6,3579.25 2902.7,3579.25 ; 2897.6,3580.1 2901.85,3580.1 ; 2897.6,3609.85 2902.7,3609.85 ; 2897.6,3699.1 2902.7,3699.1 ; 2897.6,3730.55 2901.85,3730.55 ; 2897.6,3731.4 2902.7,3731.4 ; 2897.6,3770.5 2901.85,3770.5 ; 2897.6,3771.35 2902.7,3771.35 ; 2897.6,3811.3 2901.85,3811.3 ; 2897.6,3813 2903.55,3813 ; 2897.6,3813.85 2903.55,3813.85 ; 2898.45,3473 2903.55,3473 ; 2898.45,3473.85 2903.55,3473.85 ; 2898.45,3577.55 2903.55,3577.55 ; 2898.45,3578.4 2903.55,3578.4 ; 2898.45,3608.15 2903.55,3608.15 ; 2898.45,3609 2903.55,3609 ; 2898.45,3699.95 2902.7,3699.95 ; 2898.45,3700.8 2903.55,3700.8 ; 2898.45,3732.25 2903.55,3732.25 ; 2898.45,3733.1 2903.55,3733.1 ; 2898.45,3772.2 2902.7,3772.2 ; 2898.45,3773.05 2903.55,3773.05 ; 2898.45,3814.7 2904.4,3814.7 ; 2898.45,3815.55 2904.4,3815.55 ; 2899.3,3472.15 2904.4,3472.15 ; 2899.3,3576.7 2904.4,3576.7 ; 2899.3,3607.3 2904.4,3607.3 ; 2899.3,3701.65 2904.4,3701.65 ; 2899.3,3702.5 2904.4,3702.5 ; 2899.3,3733.95 2904.4,3733.95 ; 2899.3,3773.9 2904.4,3773.9 ; 2899.3,3774.75 2904.4,3774.75 ; 2900.15,3470.45 2905.25,3470.45 ; 2900.15,3471.3 2905.25,3471.3 ; 2900.15,3575 2905.25,3575 ; 2900.15,3575.85 2905.25,3575.85 ; 2900.15,3605.6 2905.25,3605.6 ; 2900.15,3606.45 2904.4,3606.45 ; 2900.15,3703.35 2905.25,3703.35 ; 2900.15,3734.8 2904.4,3734.8 ; 2900.15,3735.65 2905.25,3735.65 ; 2900.15,3775.6 2905.25,3775.6 ; 2900.15,3816.4 2905.25,3816.4 ; 2900.15,3817.25 2905.25,3817.25 ; 2900.15,3818.1 2906.1,3818.1 ; 2901,3469.6 2906.1,3469.6 ; 2901,3573.3 2906.1,3573.3 ; 2901,3574.15 2906.1,3574.15 ; 2901,3603.9 2906.1,3603.9 ; 2901,3604.75 2906.1,3604.75 ; 2901,3704.2 2905.25,3704.2 ; 2901,3705.05 2906.1,3705.05 ; 2901,3736.5 2905.25,3736.5 ; 2901,3737.35 2906.1,3737.35 ; 2901,3776.45 2905.25,3776.45 ; 2901,3777.3 2906.1,3777.3 ; 2901,3818.95 2906.95,3818.95 ; 2901,3819.8 2906.95,3819.8 ; 2901.85,3467.9 2906.95,3467.9 ; 2901.85,3468.75 2906.1,3468.75 ; 2901.85,3572.45 2906.95,3572.45 ; 2901.85,3603.05 2906.95,3603.05 ; 2901.85,3705.9 2906.1,3705.9 ; 2901.85,3706.75 2906.95,3706.75 ; 2901.85,3738.2 2906.95,3738.2 ; 2901.85,3739.05 2906.95,3739.05 ; 2901.85,3778.15 2906.95,3778.15 ; 2901.85,3779 2906.95,3779 ; 2901.85,3820.65 2907.8,3820.65 ; 2901.85,3821.5 2907.8,3821.5 ; 2902.7,3466.2 2907.8,3466.2 ; 2902.7,3467.05 2907.8,3467.05 ; 2902.7,3506.15 2908.65,3506.15 ; 2902.7,3570.75 2907.8,3570.75 ; 2902.7,3571.6 2907.8,3571.6 ; 2902.7,3601.35 2907.8,3601.35 ; 2902.7,3602.2 2907.8,3602.2 ; 2902.7,3707.6 2907.8,3707.6 ; 2902.7,3708.45 2907.8,3708.45 ; 2902.7,3739.9 2907.8,3739.9 ; 2902.7,3779.85 2907.8,3779.85 ; 2902.7,3822.35 2908.65,3822.35 ; 2902.7,3823.2 2909.5,3823.2 ; 2903.55,3465.35 2908.65,3465.35 ; 2903.55,3504.45 2909.5,3504.45 ; 2903.55,3505.3 2909.5,3505.3 ; 2903.55,3569.9 2908.65,3569.9 ; 2903.55,3600.5 2908.65,3600.5 ; 2903.55,3709.3 2908.65,3709.3 ; 2903.55,3740.75 2907.8,3740.75 ; 2903.55,3741.6 2908.65,3741.6 ; 2903.55,3780.7 2907.8,3780.7